# Altium PCB Carte_Alim-4L - CopieBK2023-02-12.PcbDoc (part 2 of 3)
Units mm, origin at the board's own origin, x right, y up, seen from the top; angles counter-clockwise.
Board outline 100 x 100 mm, 4 copper layers (Top Copper, Ground Plane, Power Plane, Bottom Copper), stack 1.57 mm thick; 239 components, 108 nets, 703 pads, 328 vias.
Unrouted connection lines stored in the file: 5.
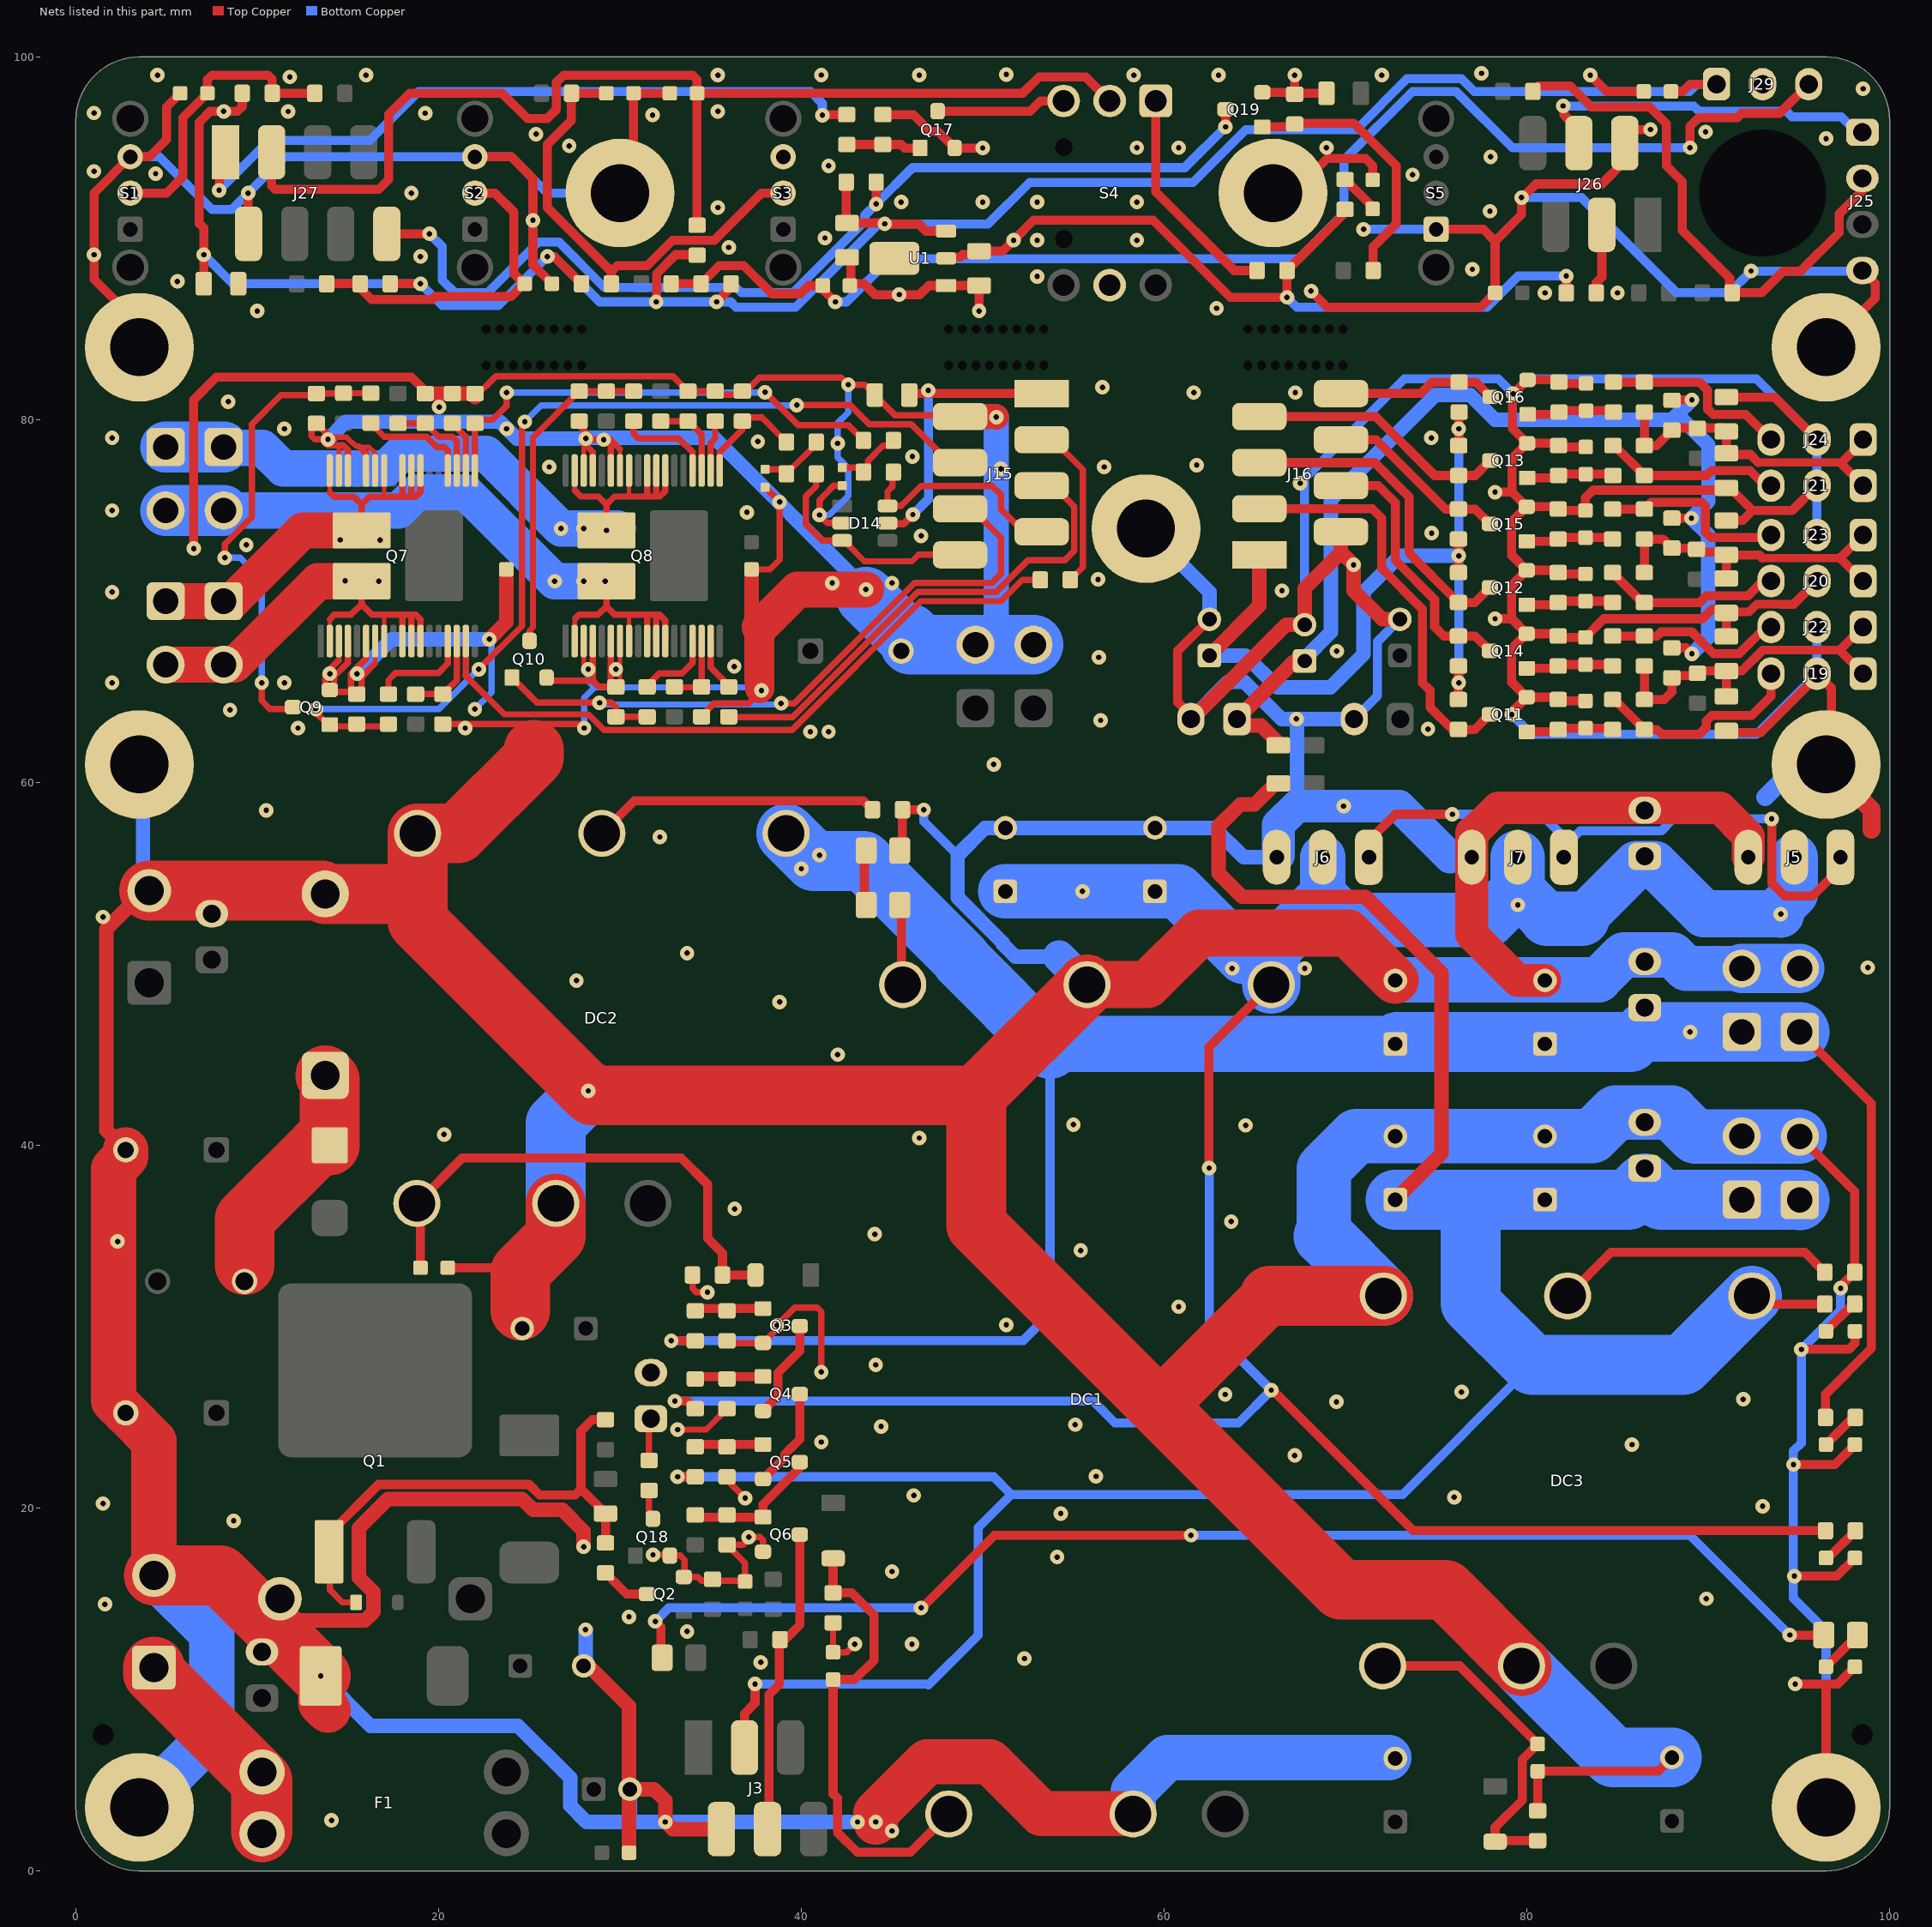
[diagram p4: the nets of this part, all layers, seen from the top]

## Via types
v1: diameter 0.8, hole 0.3, Top Copper to Bottom Copper, tented both sides, 328 vias

## Nets (pads, with @x,y where several pads share a name; then routed paths per layer and width w, separated by ;. In a path a pad name is that pad's centre, name@x,y a point inside that pad or via, vN(x,y) a via of type N, cw(c..) or ccw(c..) an arc to the next point about the centre after c; other vN are vias at no path point)
3L_CAP: C26.1 J16.1 R55.2 R56.2 R57.2 R67.2 R68.2 R69.2 | length 45.7
  Top Copper w0.5: R55.2@76.23,64.575 R67.2@76.23,66.425 ; R56.2@76.23,71.575 R68.2@76.23,73.425 ; R57.2@76.25,78.575 v1(76.25,79.5) R69.2@76.25,80.405
  Top Copper w0.8: C26.1@62.5,67 65.25,69.75 J16.1@65.25,72.555
  Bottom Copper w0.5: v1(76.25,65.5) v1(76.25,72.5) v1(76.25,79.5)
  Bottom Copper w0.8: C26.1@62.5,67 64.5,67 66.25,65.25 69.18,65.25 71,67.07 71,70.5 73,72.5 v1(76.25,72.5)
3L_CLAV: C41.2 C51.1 C52.1 J29.1 R79.2 R80.2 R81.2 R89.2 R104.2 R105.2 U1.3 | length 125.3
  Top Copper w0.5: C41.2@7.05,87.5 v1(7.05,89.1) 7.05,90.575 6.8,90.825 6.8,96.4 7.4,97 8.9,97 9.175,97.275 R79.2@9.175,98 ; R80.2@17.325,87.5 v1(19,87.5) ; v1(26,89) 26.375,89 R81.2@27.875,87.5 ; v1(32,86.5) 32.023,86.523 32.023,88.056 33.067,89.1 R105.2@34.3,89.1 ; v1(35.325,86.5) 35.95,87.125 35.95,87.325 R89.2@36.125,87.5 R89.2@36.075,87.5 ; C51.1@42.475,90.9 R104.2@42.475,93.1 ; C51.1@42.525,90.85 v1@44.6,90.85 ; v1(44.6,90.8) 46.475,90.8 46.875,90.4 U1.3@47.977,90.4 ; C52.1@87.95,98.1 88.6,98.1 89,98.5 J29.1@90.46,98.5
  Bottom Copper w0.5: v1(7.05,89.1) 8.65,87.5 v1(19,87.5) 20.2,86.3 23.3,86.3 v1(26,89) 26.375,89 28.875,86.5 v1(32,86.5) v1(35.325,86.5) 36.1,86.5 36.4,86.2 39.675,86.2 44.275,90.8 v1(44.6,90.8) 50.3,90.8 52.59,93.09 61.59,93.09 64.5,96 70.6,96 73.4,98.8 76.4,98.8 77.1,98.1 88.963,98.1 89.363,98.5 J29.1@90.46,98.5
  other v1: 8.15,97
3L_M: C23.2 D14.5 J15.1 | length 16.3
  Top Copper w0.4: D14.5@44.75,74.3 44.789,74.261 45.636,74.261 v1(46.15,74.775)
  Top Copper w0.5: C23.2@46.027,81.445 v1@46.825,81.445 ; v1(47,81.62) v1@46.825,81.445 ; J15.1@53.25,81.445 v1@46.825,81.445
  Bottom Copper w0.5: v1(46.15,74.775) 47,75.625 v1(47,81.62)
5L: C17.1 C18.1 DC3.3 FB8.1 J3.3 J10.1 J11.1 J26.3 J32.1 R12.2 R24.1 R99.1 | length 166.5
  Top Copper w0.5: v1(33.175,21.725) R12.2@34.15,21.725 ; J3.3@36.865,6.8 36.865,8.665 37.448,9.248 v1(37.448,10.3) ; R99.1@83.825,87 83.825,87.548 84.135,87.858 J26.3@84.135,90.75 ; DC3.3@92.86,31.25 R24.1@96.425,31.25
  Top Copper w0.8: FB8.1@66.047,59.853 64.994,58.8 64.2,58.8 63,57.6 63,55 64.3,53.7 71.1,53.7 75.3,49.5 75.3,39.55 C17.1@72.75,37
  Bottom Copper w0.5: v1(33.175,21.725) 50.6,21.725 51.575,20.75 ; v1(37.448,10.3) 46.95,10.3 47,10.25 49.75,13 49.75,18.925 51.575,20.75 ; 80.3,27.9 73.15,20.75 51.575,20.75
  Bottom Copper w3.3: C17.1@72.75,37 C18.1@81,37 85.6,37 86.5,37.9 87.4,37 J10.1@91.85,37 95.03,37 J32.1@95.05,36.98 ; 76.9,36.9 76.9,31.3 80.3,27.9 88.61,27.9 DC3.3@92.41,31.7
5L_CAP: C28.1 FB8.2 J18.1 R92.1 R94.1 R96.1 | length 59
  Top Copper w0.5: R92.1@88,67.425 88.775,67.425 v1(89.1,67.1) ; R94.1@88,74.575 v1(89.075,74.575) ; R96.1@88.025,81.1 v1(89.1,81.1)
  Top Copper w0.8: FB8.2@66.2,62.3 65.35,63.15 64.37,63.15 64.01,63.51 67.2,66.7 C28.1@67.75,66.7
  Bottom Copper w0.8: C28.1@67.675,66.775 69.2,68.3 69.2,75.6 74.968,81.368 76.882,81.368 78.25,80 88,80 88.303,80.303 ; v1(89.1,67.1) 89.993,67.993 89.993,73.657 v1(89.075,74.575) 90.011,75.511 90.011,78.595 88.303,80.303 ; v1(89.1,81.1) 88.303,80.303
5L_CLAV: C43.1 R85.1 R86.1 R99.2 U1.2 | length 44.8
  Top Copper w0.5: U1.2@47.978,88.9 48.046,88.968 48.768,88.968 48.909,89.109 49.609,89.109 C43.1@49.8,89.3 51.1,89.3 v1(51.7,89.9) 52.8,91 59.4,91 63.65,86.75 v1(66.775,86.75) R85.1@66.775,88.225 66.775,88.275 66.95,88.45 67,88.45 R86.1@69.988,91.438 ; R86.1@69.925,91.5 R86.1@69.975,91.5 ; R99.2@82.175,87 v1(82.175,87.925)
  Bottom Copper w0.5: v1(66.775,86.75) 67.325,86.2 77.8,86.2 79.525,87.925 v1(82.175,87.925)
5L_EN: C19.2 D6.2 DC3.6 R26.2 | length 19
  Top Copper w0.5: DC3.6@72.05,11.3 76.29,11.3 C19.2@80.6,6.99 79.75,6.14 79.75,3.898 78.25,2.398 78.25,1.675 80.59,1.675 R26.2@80.6,1.665
5P: C13.1 C14.1 DC2.3 J8.1 J9.1 J31.1 R10.2 R21.1 | length 121.3
  Top Copper w0.5: v1(32.825,29.225) R10.2@34.15,29.225 ; J31.1@95.05,46.25 99,42.3 99,28.8 96.465,26.265 R21.1@96.465,25
  Bottom Copper w0.5: v1(32.825,29.225) 52.225,29.225 53.71,30.71 53.71,45.312
  Bottom Copper w3.1: 53.71,45.59 61.175,45.59 61.182,45.583 68.648,45.583 68.655,45.59 C14.1@72.75,45.59
  Bottom Copper w3.3: DC2.3@39.16,57.2 40.68,55.68 43.409,55.68 48.87,50.219 48.87,50.152 53.71,45.312 ; C14.1@72.86,45.7 81,45.7 85.7,45.7 ; 86.5,46.25 v1(89,46.25) J8.1@91.85,46.25 J31.1@95.05,46.25
  other v1: 40,55.25 41,56
5P_EN: C15.2 D4.2 DC2.6 R23.2 | length 28.2
  Top Copper w0.5: DC2.6@18.8,36.8 21.3,39.3 33.375,39.3 34.825,37.85 34.825,34.875 35.65,34.05 R23.2@35.65,32.85 D4.2@37.475,32.85 ; C15.2@19,33.25 DC2.6@19,36.6
12V: C9.1 C10.1 DC1.4 J4.1 J5.2 J6.2 J7.2 R11.2 R17.2 | length 155.2
  Top Copper w0.5: v1(33.025,25.9) 33.725,25.9 R11.2@34.15,25.475 ; v1(62.48,38.75) 62.48,45.43 DC1.4@65.91,48.86 ; v1(65.91,26.5) 65.91,26.59 73.75,18.75 R17.2@96.465,18.75
  Bottom Copper w0.15: v1(63.75,49.75) 64.389,50.389 ; v1(79.5,53.25) 79.522,53.272 79.522,54.062
  Bottom Copper w0.5: v1(33.025,25.9) 56.1,25.9 57.3,24.7 64.11,24.7 v1(65.91,26.5) 62.5,29.91 62.5,38.73 v1(62.48,38.75)
  Bottom Copper w2.5: 68.75,53.55 J6.2@68.75,55.885
  Bottom Copper w2.6: 83.07,52.5 86.055,55.485 J4.1@87.046,55.485 ; J4.1@86.945,55.485 J4.1@87.046,55.485 ; v1(94,52.75) 93.989,52.761 v1@93.661,52.761 ; J5.2@94.75,55.885 94.75,53.85 v1@93.661,52.761 ; J4.1@87.046,55.485 89.77,52.761 v1@93.661,52.761
  Bottom Copper w2.9: 79.522,54.062 81.1,52.5
  Bottom Copper w3: C10.1@51.25,54 v1(55.5,54) 60.777,54 ; C9.1@59.5,54 60.777,54 ; 64.389,50.389 60.777,54 ; 65.91,50.71 68.75,53.55 69.873,52.427 77.887,52.427 79.522,54.062 ; 79.5,54.1 J7.2@79.5,55.885 ; 81.1,52.5 83.07,52.5
  Bottom Copper w3.2: DC1.4@65.91,48.86 65.91,49.75 65.91,50.71
  other v1: 67.75,49.75
12V_EN: C11.2 D2.2 DC1.3 R20.2 | length 25.8
  Top Copper w0.5: D2.2@41.75,17.225 R20.2@41.75,15.325 42.775,15.325 44,14.1 44,11.6 42.95,10.55 C11.2@41.75,10.55 41.75,4.25 42,4 42,2.106 43.085,1.021 46.011,1.021 DC1.3@48.13,3.14
ALIM_AU: J25.2 R100.2 R101.2 | length 30
  Top Copper w0.5: R101.2@80.325,98.1 80.625,98.4 82.4,98.4 83.55,97.25 86.77,97.25 87.7,96.32 87.7,94 88.56,93.14 88.56,90.44 91.182,87.818 91.182,87.143 R100.2@91.325,87 92.954,87 94.154,88.2 95.1,88.2 97.223,90.323 97.223,91.348 98.5,92.625 J25.2@98.5,93.31
AU_STATUS: J27.8 Q19.3 R104.1 | length 57.1
  Top Copper w0.5: J27.8@17.145,90.25 v1(19.5,90.25) ; v1(44.125,91.9) R104.1@44.125,93.1 ; v1(63.384,96.147) Q19.3@63.384,97.113
  Bottom Copper w0.5: v1(19.5,90.25) 20.2,89.55 20.2,87.7 20.9,87 22.7,87 25.5,89.8 26.644,89.8 29.144,87.3 36.4,87.3 36.7,87 39.547,87 43.5,90.953 43.5,91.275 v1(44.125,91.9) 46.125,93.9 61.136,93.9 v1(63.384,96.147)
BATT_P: F1.1 F1.3 J1.1 | length 11.5
  Top Copper w3.4: J1.1@4.3,11.21 4.3,10.9 10.25,4.95 F1.3@10.25,2.175
CAP_#A: C29.2 C35.2 J19.1 J22.1 R58.2 R70.2 R92.2 R93.2 | length 19.4
  Top Copper w0.47: 93,67.3 97.24,67.3
  Top Copper w0.5: R70.2@86.48,66.425 R58.2@86.48,64.575 87.575,64.575 88,65 88,65.9 89.275,65.9 R93.2@89.4,66.025 89.525,66.15 C35.2@91,66.15 ; C29.2@91,64.65 C35.2@91,66.15 ; 93,67.3 91.85,66.15 C35.2@91,66.15 ; J19.1@98.54,66 97.24,67.3 98.51,68.57 J22.1@98.54,68.57
CAP_#B: C30.2 C36.2 J20.1 J23.1 R59.2 R71.2 R94.2 R95.2 | length 17.7
  Top Copper w0.46: 92.985,72.37 97.25,72.37
  Top Copper w0.5: R59.2@86.48,71.575 R71.2@86.48,73.425 87.5,73.425 R94.2@88,72.925 R95.2@89.35,72.925 ; R95.2@89.35,72.865 89.515,72.7 90.85,72.7 C36.2@91,72.55 ; C30.2@91,71.45 C36.2@91,72.55 ; 92.985,72.37 92.835,72.55 C36.2@91,72.55 ; 97.25,72.4 J20.1@98.54,71.11 ; 97.29,72.4 J23.1@98.54,73.65
CAP_#C: C31.2 C37.2 J21.1 J24.1 R60.2 R72.2 R96.2 R97.2 | length 18
  Top Copper w0.46: 92.75,77.653 97.257,77.653
  Top Copper w0.5: R72.2@86.48,80.425 R60.2@86.48,78.575 87.15,78.575 88.125,79.55 90.8,79.55 C37.2@91,79.35 C31.2@91,78.15 91.066,78.084 92.319,78.084 92.75,77.653 ; J21.1@98.54,76.37 97.365,77.545 97.365,77.653 98.54,78.828 J24.1@98.54,78.91
CAPTTOR_1: J16.3 Q11.3 R55.1 | length 22.6
  Top Copper w0.5: J16.3@65.25,75.095 71.48,75.095 72,74.575 72,71.8 74.25,69.55 74.25,65.5 74.659,65.091 74.659,64.157 75.89,62.925 77.126,62.925 Q11.3@77.964,63.763
CAPTTOR_2: J16.4 Q14.3 R67.1 | length 14.7
  Top Copper w0.5: J16.4@69.75,76.365 71.805,76.365 72.75,75.42 72.75,72.25 74.916,70.084 74.916,68.584 75.425,68.075 R67.1@76.23,68.075 77.152,68.075 Q14.3@77.964,67.263
CAPTTOR_3: J16.5 Q12.3 R56.1 | length 18.1
  Top Copper w0.5: J16.5@65.25,77.635 71.615,77.635 73.5,75.75 73.5,72.655 R56.1@76.23,69.925 77.126,69.925 Q12.3@77.964,70.763
CAPTTOR_4: J16.6 Q15.3 R68.1 | length 10.1
  Top Copper w0.5: J16.6@69.75,78.905 71.695,78.905 75.525,75.075 R68.1@76.23,75.075 77.152,75.075 Q15.3@77.964,74.263
CAPTTOR_5: J16.7 Q13.3 R57.1 | length 14.4
  Top Copper w0.5: J16.7@65.25,80.175 71.666,80.175 74.916,76.925 R57.1@76.25,76.925 77.146,76.925 Q13.3@77.984,77.763
CAPTTOR_6: J16.8 Q16.3 R69.1 | length 8.9
  Top Copper w0.5: J16.8@69.75,81.445 74.145,81.445 74.775,82.075 R69.1@76.27,82.075 77.192,82.075 Q16.3@78.004,81.263
DNMXL_DATA: J5.1 J6.1 J7.1 | length 35.2
  Top Copper w0.5: J6.1@71.29,55.01 J6.1@71.29,55.885 71.29,56.79 72.75,58.25 v1(75.896,58.25) ; v1(93.5,58) 93.5,54.46 94.21,53.75 95.75,53.75 97.29,55.29 J5.1@97.29,55.885
  Bottom Copper w0.5: v1(75.896,58.25) 80.79,58.25 82.04,57 82.04,56.443 82.94,57.343 87.423,57.343 88.08,58 v1(93.5,58)
GND: C2.2 C3.2 C4.1 C5.2 C6.2 C7.2 C8.2 C9.2 C10.2 C11.1 C12.2 C13.2 C14.2 C15.1 C16.2 C17.2 C18.2 C19.1 C20.2 C21.1 C22.1 C23.1 C24.1 C25.1 C26.2 C27.2 C28.2 C29.1 C30.1 C31.1 C32.2 C33.2 C34.2 C35.1 C36.1 C37.1 C38.2 C39.2 C40.2 C41.1 C42.1 C43.2 C44.2 C45.2 C46.2 C47.2 C48.2 C49.1 C50.2 C51.2 C52.2 D1.1 D3.1 D5.1 D7.1 D11.1 D14.2 DC1.2 DC1.5 DC2.2 DC2.5 DC3.2 DC3.5 DT2.1 J1.2 J2.2 J3.2 J4.2 J5.3 J6.3 J7.3 J8.2 J9.2 J10.2 J11.2 J12.2 J15.2 J16.2 J17.2 J18.2 J19.2 J20.2 J21.2 J22.2 J23.2 J24.2 J25.4 J26.2 J27.2 J29.2 J31.2 J32.2 J33.2 J36.2 J37.2 J38.2 pad.0@3.5,3.5 pad.0@3.5,61 pad.0@3.5,84 pad.0@11.25,15 pad.0@30,92.5 pad.0@59,74 pad.0@66,92.5 pad.0@96.5,3.5 pad.0@96.5,61 pad.0@96.5,84 Q2.2 Q3.2 Q6.2 Q7.3 Q7.4 Q7.6 Q7.7 Q7.30 Q7.31 Q7.33 Q7.34 Q8.3 Q8.4 Q8.6 Q8.7 Q8.30 Q8.31 Q8.33 Q8.34 Q9.2 Q10.2 Q11.2 Q12.2 Q13.2 Q14.2 Q15.2 Q16.2 Q17.2 Q18.2 Q19.2 R5.2 R13.1 R14.1 R15.1 R16.1 R19.2 R20.1 R22.2 R23.1 R25.2 R26.1 R27.1 R28.1 R30.1 R32.1 R41.1 R42.1 R43.1 R44.1 R49.1 R50.1 R53.1 R54.1 R64.1 R65.1 R66.1 R76.1 R77.1 R78.1 R88.1 R103.1 S1.3 S2.3 S3.3 S4.B S5.1 U1.1 | length 1234.9
  Top Copper w0.25: 14.5,66.75 Q7.3@14.5,67.8 ; Q7.34@14.5,77.2 14.5,78.596 ; 15.65,78.5 16.175,78.5 16.5,78.175 Q7.30@16.5,77.2 ; 16.5,66.578 Q7.7@16.5,67.8 ; v1@28,66.25 Q8.3@28,67.8 ; Q8.34@28,77.2 28,78.526 ; R54.1@30,65.501 Q8.7@30,67.8 ; Q8.30@30,77.2 30,78.376
  Top Copper w0.3: v1@14,79.059 14.12,79.059 14.139,79.04 14.917,79.04 15.217,78.74 15.264,78.74 15.463,78.541 15.609,78.541 15.65,78.5
  Top Copper w0.35: v1@13.9,78.596 14.5,78.596 14.744,78.596 15,78.34 Q7.33@15,77.2 ; v1(13.9,78.917) 13.183,78.917 13,79.1 13,79.4 13.259,79.659 R49.1@13.259,79.8 v1@14,79.059 ; 14.5,66.75 13.75,66 13.75,65.25 Q9.2@14,65 ; Q7.4@15,67.8 15,66.614 14.25,65.864 14.25,65.25 Q9.2@14,65 ; v1@15.175,66 15.175,65.181 R53.1@15.356,65 ; v1@15.375,66.2 16,66.825 Q7.6@16,67.754 ; 15.65,78.5 16,78.15 Q7.31@16,77.2 ; 16.5,66.578 15.75,65.828 15.75,65.138 R53.1@15.484,64.872 R53.1@15.356,65 ; R41.1@20.234,63.348 R41.1@20.234,63.222 21.466,63.222 25.25,63.222 27.895,63.222 28.117,63 v1(28.026,63) ; R30.1@22.009,81.25 23.159,82.4 32.925,82.4 R44.1@33.75,81.575 R28.1@35.25,81.575 35.45,81.375 36.75,81.375 37.704,82.329 42.196,82.329 v1(42.59,81.935) 43.483,81.935 C23.1@44.05,81.368 45.168,80.25 48.675,80.25 J15.2@48.75,80.175 ; Q10.2@25.953,65.782 26.121,65.613 28.5,65.613 ; R50.1@27.75,79.676 28.46,78.966 v1(28.117,78.966) ; v1@27.939,78.788 28.5,78.226 Q8.33@28.5,77.2 ; Q8.4@28.5,67.8 28.5,65.613 ; v1@28.5,78.9 v1(29.1,78.9) 29.167,78.966 29.41,78.966 29.5,78.876 ; R54.1@29.5,65.554 Q8.6@29.5,67.8 ; Q8.31@29.5,77.2 29.5,78.876 ; R54.1@29.776,65.277 28.835,65.277 28.5,65.613 ; 30,78.376 29.5,78.876 ; v1(31.817,17.425) Q18.2@32.707,17.425 ; Q18.2@32.752,17.38 33.315,17.38 33.557,17.138 33.557,16.243 33.598,16.202 34.298,16.202 34.5,16 35.1,16 C49.1@36.9,16 ; v1(33.175,24.325) 34.75,24.325 R15.1@35.9,25.475 ; R23.1@34,32.85 34,32.105 34.205,31.9 v1(34.825,31.9) ; R43.1@34.5,63.628 34.5,63.682 35.184,64.366 37.091,64.366 v1(37.8,65.075) v1@37.704,65.171 ; R16.1@35.9,21.725 35.9,21.55 v1(36.9,20.55) ; R14.1@36.028,29.098 Q3.2@37.884,29.098 38.65,29.864 v1(38.65,30.075) 39.625,31.05 40.875,31.05 41.1,30.825 v1(41.1,27.5) ; C49.1@36.9,15.95 C49.1@36.9,16 ; C22.1@37.25,71.75 38.256,71.75 38.8,72.294 v1(38.8,75.47) C25.1@38,76.27 ; Q6.2@37.884,17.597 37.884,18.241 37.729,18.396 37.104,18.396 v1(37.1,18.4) 37.1,18.28 36.795,17.975 R13.1@35.9,17.975 36.9,16.975 C49.1@36.9,16 ; v1(41,74.75) 41,75.575 41.3,75.875 41.79,76.365 C24.1@42.25,76.365 ; v1(41,74.75) 41.43,74.32 42.555,74.32 D14.2@42.575,74.3 ; R20.1@41.75,13.675 C11.1@41.75,12.05 42.5,12.05 v1(42.95,12.5) ; Q9.2@14,65 R53.1@15.356,65
  Top Copper w0.47: C30.1@91,69.55 91.15,69.4 92.25,69.4 92.682,69.832 94.05,69.832
  Top Copper w0.5: pad.0@3.5,85.25 1,87.75 v1(1,89.1) 1,92.5 S1.3@3,94.5 4.05,94.5 4.995,95.445 4.995,97.245 C44.2@5.75,98 ; v1(6.5,72.9) 6.5,81.1 7.75,82.35 18.5,82.35 19.259,81.591 R42.1@19.259,81.45 ; J27.2@9.5,90.25 v1(9.5,92.5) ; C15.1@20.5,33.25 24.29,33.25 ; S2.3@22,94.5 24,94.5 25.2,93.3 v1(25.2,91) 25.2,88.55 C45.2@26.25,87.5 ; pad.0@30,92.5 30.75,93.25 C46.2@30.75,98 C47.2@32.75,98 ; C51.2@42.525,88.95 42.725,88.75 42.725,87.5 43.45,87.5 44.05,86.9 v1(45.4,86.9) 46.525,86.9 47.025,87.4 U1.1@47.977,87.4 C43.2@49.8,87.4 49.807,87.393 v1@49.807,86 ; R88.1@44.5,96.825 46.175,96.825 47.1,95.9 47.537,95.9 Q17.2@48.453,94.984 v1(50,94.984) ; R19.2@45.575,56.3 R22.2@45.575,58.5 v1(46.75,58.5) ; J18.2@61.48,63.5 61.48,63.713 60.75,64.443 60.75,67.256 62.494,69 C26.2@62.5,69 ; Q19.2@65.416,98.052 R103.1@66.885,98.052 ; pad.0@66,92.5 67.089,92.5 68.989,94.4 71.1,94.4 71.493,94.007 D11.1@71.493,93.293 ; R103.1@67.2,97.95 R103.1@67.2,98 ; v1(67.2,99) R103.1@67.2,98 ; v1(68.1,87.1) 69,86.2 77.45,86.2 C50.2@78.25,87 78.25,89.85 ; C42.1@68.95,98 R103.1@67.2,98 ; D11.1@71.455,93.255 D11.1@71.493,93.293 ; D11.1@71.5,93.224 71.493,93.231 D11.1@71.493,93.293 ; D11.1@71.5,93.3 D11.1@71.493,93.293 ; S5.1@75,90.5 77.6,90.5 78.25,89.85 ; v1(78.25,69.03) 79.169,69.03 ; v1(78.25,76.009) 79.189,76.009 ; v1@79.169,63.875 Q11.2@79.996,64.702 ; R26.1@80.6,3.315 C19.1@80.6,5.49 87.24,5.49 C16.2@88,6.25 ; C32.2@83.23,64.5 81.805,64.5 81.603,64.702 Q11.2@79.996,64.702 ; C33.2@83.23,71.5 81.805,71.5 81.602,71.702 Q12.2@79.996,71.702 ; C34.2@83.25,78.5 81.825,78.5 81.623,78.702 Q13.2@80.016,78.702 ; C40.2@83.27,82 81.845,82 81.642,82.202 Q16.2@80.036,82.202 79.209,81.375 79.209,79.51 Q13.2@80.016,78.702 ; v1(83.5,99) 84.4,98.1 C52.2@86.45,98.1 ; v1(86.818,96) 85.655,96 85.405,95.75 J26.2@85.405,95.25 85.405,94.27 84.135,93 80.5,93 79.75,92.25 v1(79.71,92.25) 79.71,91.31 78.25,89.85 ; C29.1@91,62.75 92.9,62.75 96,65.85 J19.2@96,66 96.8,65.2 pad.0@96.8,61.3 ; C35.1@91,68.05 91,69.55 90.195,69.55 89.674,69.03 84.251,69.03 83.23,68.008 C38.2@83.23,68 81.805,68 81.603,68.202 Q14.2@79.996,68.202 ; C37.1@91,81.25 93.66,81.25 J24.2@96,78.91 ; C36.1@91.2,74.65 C36.1@91,74.45 91.9,74.45 92.45,75 ; 94.05,69.832 94.722,69.832 J20.2@96,71.11 ; v1(94.7,22.4) 96.99,22.4 D5.1@98.09,23.5 ; v1(94.75,16.25) 97.09,16.25 D3.1@98.09,17.25 ; v1(94.8,10.3) 96.5,10.3 ; J32.2@95.05,40.48 98.075,37.455 R25.2@98.075,33 97.302,32.227 v1(97.302,32.122) ; v1(95.135,28.75) 97.75,28.75 98.09,29.09 D7.1@98.09,29.75 ; J21.2@96,76.37 94.63,75 92.45,75 ; pad.0@96.5,3.5 96.5,10.3 ; pad.0@96.5,84 99.2,86.7 99.2,87.53 J25.4@98.5,88.23 J25.4@98.5,88.73 ; D1.1@98.09,11.25 97.957,11.117 97.14,10.3 96.5,10.3 ; 79.169,69.03 79.169,70.875 Q12.2@79.996,71.702 ; 79.169,69.03 Q14.2@79.996,68.202 ; 79.189,76.009 79.189,77.875 Q13.2@80.016,78.702 ; 79.189,76.009 Q15.2@79.996,75.202 ; Q11.2@79.996,64.702 79.169,65.529 79.169,67.375 Q14.2@79.996,68.202 ; Q12.2@79.996,71.702 79.169,72.529 79.169,74.375 Q15.2@79.996,75.202 ; Q15.2@79.996,75.202 81.602,75.202 81.805,75 C39.2@83.23,75 83.23,75.7 83.653,76.123 90.873,76.123 C31.1@91,76.25 91.2,76.25 92.45,75
  Top Copper w0.8: C7.2@2.75,39.75 1.675,40.825 1.675,51.925 J2.2@3.75,54 ; 11.3,13.8 15.931,13.8 16.4,14.269 16.4,15.376 15.6,16.176 15.6,18.9 17.2,20.5 24.61,20.5 25.212,19.898 26.823,19.898 28,18.721 v1(28,17.864) ; v1@13.9,78.869 v1(13.9,78.917) ; R42.1@19.259,81.45 R27.1@20.759,81.45 21.809,81.45 R30.1@22.009,81.25 ; v1(22.8,67.9) 23.735,68.835 C21.1@23.735,71.75 ; C2.2@28,11.3 28.275,11.3 30.5,9.075 C4.1@30.5,1 ; C3.2@30.55,4.5 31.881,4.5 32.5,3.881 v1(32.5,2.7) 32.9,2.3 J3.2@35.595,2.3 ; 37.25,65.625 C22.1@37.25,71.75 ; J18.2@61.48,63.5 61.528,63.5 66.728,68.7 C28.2@67.75,68.7 67.75,70.701 69.75,72.701 ; J16.2@69.75,73.825 69.75,72.701 ; C27.2@73,69 72.03,69 70.451,70.579 v1(70.451,72) 69.75,72.701
  Top Copper w1: pad.0@96.5,61 99,58.5 99,57.4
  Top Copper w1.4: J15.2@48.75,80.175 50.72,80.175 v1(50.75,80.145)
  Top Copper w1.6: v1@37.704,65.171 37.704,68.562
  Top Copper w1.8: J7.3@76.96,57.24 J7.3@76.96,57.16 ; 80.322,58.6 80.313,58.609 78.409,58.609 J7.3@76.96,57.16 ; 80.463,58.6 90.66,58.6 92.21,57.05 J5.3@92.21,55.885 ; C13.2@81,49.09 79.5,49.09 76.96,51.63 J7.3@76.96,55.885 J7.3@76.96,57.16
  Top Copper w2: 37.704,68.562 39.784,70.642 v1(43.56,70.642)
  Top Copper w2.5: C7.2@2.75,39.75 2.75,39.384 2.073,38.707 2.073,34.7 2.073,25.927 C6.2@2.75,25.25 4.3,23.7 J1.2@4.3,16.29 ; v1(13.5,10.75) 13.5,9.26 13.9,8.86 ; v1(44.1,2.7) 44.1,3.183 46.937,6.02 50.383,6.02 53.244,3.159 58.271,3.159 DC1.2@58.29,3.14
  Top Copper w2.6: DC1.5@55.75,48.86 59.081,48.86 61.931,51.71 70.13,51.71 C14.2@72.75,49.09
  Top Copper w3: 59.695,25.555 65.84,31.7
  Top Copper w3.3: J2.2@4.05,54.04 7.5,54.04 C5.2@13.57,54.04 ; J1.2@4.3,16.29 7.96,16.29 10.25,14 11.222,13.027 v1(13.5,10.75) ; C5.2@13.75,53.86 18.66,53.86 ; 24.5,30.9 24.5,33.04 26.46,35 DC2.2@26.46,36.8 ; 25.25,61.806 25.25,61.388 21.062,57.2 DC2.5@18.84,57.2 18.84,52.36 v1@28.225,42.975 ; v1@28.45,42.75 49.64,42.75 ; DC1.5@55.75,48.86 49.64,42.75 ; 65.84,31.7 DC3.5@72.09,31.7 ; DC3.2@79.71,11.3 75.51,15.5 69.75,15.5 59.695,25.555 49.64,35.61 49.64,42.75
  Bottom Copper w0.35: v1(22,64.047) 22.919,64.967 22.919,67.781 v1(22.8,67.9) ; v1(28.026,63) 28.026,64.683 28.594,65.25 ; v1(28.25,66.25) 28.25,65.594 28.594,65.25 ; v1@37.625,65.25 28.594,65.25 ; v1(41,74.75) 41.532,74.75 41.595,74.812 42.59,75.808 42.59,77.34 42,77.93 v1(42,78.7) 42,79.813 42.59,80.403 v1(42.59,81.935)
  Bottom Copper w0.5: S1.3@3,94.5 4.6,94.5 7.5,91.6 8.6,91.6 v1(9.5,92.5) 11.5,94.5 S2.3@22,94.5 24,94.5 26,92.5 pad.0@30,92.5 ; v1(46.75,58.5) 46.75,57.858 48.616,55.991 ; C28.2@67.75,68.7 67.75,76.75 73.25,82.25 78.434,82.25 v1(79.25,81.434) 80.066,82.25 92.66,82.25 J24.2@96,78.91 J21.2@96,76.37 J23.2@96,73.65 ; J17.2@70.48,63.5 71.77,64.79 71.77,67.776 72.994,69 C27.2@73,69 ; v1(71,90.5) 74.6,90.5 74.8,90.3 S5.1@75,90.5 ; v1(79.169,63.75) 80.269,62.65 92.65,62.65 J19.2@96,66 J22.2@96,68.57 ; v1(79.71,92.25) 83,92.25 88.25,87 91.166,87 v1(92.366,88.2) 98.47,88.2 J25.4@98.5,88.23 ; pad.0@96.5,3.5 96.5,13.235 94.7,15.035 v1(94.7,22.4) 94.7,23.15 95.135,23.585 v1(95.135,28.75) 97.302,30.917 v1(97.302,32.122)
  Bottom Copper w0.8: pad.0@3.5,61 3.7,60.8 3.7,54.39 J2.2@4.05,54.04 ; v1(13.5,10.75) 16.25,8 24.375,8 27.25,5.125 27.25,3.596 28.146,2.7 30.55,2.7 ; v1(13.9,78.917) 14.874,79.891 23.386,79.891 24.313,78.964 28.115,78.964 v1(28.117,78.966) ; v1(15.5,66) 17.4,67.9 v1(22.8,67.9) ; C2.2@28,11.3 28.1,11.4 v1(28.1,13.3) ; v1@28.1,79 35.202,79 v1(43.56,70.642) ; C3.2@30.75,4.5 30.55,4.3 30.55,2.7 ; v1(44.1,2.7) v1(43.1,2.7) v1(32.5,2.7) 30.55,2.7 ; 54.21,50.4 51.804,50.4 51.12,51.084 51.12,51.16 48.616,53.664 48.616,55.991 50.125,57.5 C10.2@51.25,57.5 C9.2@59.5,57.5 62.77,57.5 64.385,55.885 J6.3@66.21,55.885 ; pad.0@59,74 62.5,70.5 C26.2@62.5,69 ; J18.2@61.48,63.5 63.534,65.554 64.429,65.554 66.483,63.5 67.327,63.5 J17.2@70.48,63.5 ; 67.327,58.7 v1@67.327,63.423
  Bottom Copper w1: J4.2@85.63,58.47 87.101,58.47 87.531,58.9 ; 93.147,59.2 94.947,61 pad.0@96.5,61
  Bottom Copper w1.4: 50.75,69.15 v1(50.75,80.145)
  Bottom Copper w1.6: 75.775,55.885 J7.3@76.96,55.885
  Bottom Copper w1.8: 54.21,50.4 DC1.5@55.75,48.86 ; J6.3@66.21,55.885 66.301,55.976 66.301,57.673 67.327,58.7 v1(69.9,58.7) 72.96,58.7 75.775,55.885
  Bottom Copper w2.5: pad.0@3.5,3.5 7.5,7.5 7.5,13.09 J1.2@4.3,16.29 ; DC1.2@58.29,3.14 58.29,4.363 60.177,6.25 C8.2@72.4,6.25 ; C14.2@72.86,49.127 83.968,49.127 85.341,50.5 88.034,50.5 88.784,49.75 J8.2@91.85,49.75
  Bottom Copper w2.7: J8.2@91.85,49.75 J31.2@95.05,49.75
  Bottom Copper w3: 68.8,34.99 68.8,38.7 70.6,40.5 C17.2@72.75,40.5 C18.2@81,40.5 83.6,40.5 84.9,41.8 87.97,41.8 89.29,40.48 J32.2@95.05,40.48
  Bottom Copper w3.3: DC2.2@26.46,36.8 26.46,41.21 v1(28.25,43) ; v1@43.56,70.242 46,67.802 ; C20.2@46,67.6 J12.2@49.6,67.6 J33.2@52.8,67.6 ; 46,68 46,68.202 ; 68.8,34.99 DC3.5@72.09,31.7 ; DC3.2@79.71,11.3 84.76,6.25 C16.2@88,6.25
  other v1: 45,2.2 14.1,2.781 37.759,11.5 52.3,11.7 46.1,12.5 33.7,13.2 30.5,14 1.6,14.7 89.9,15 45,16.5 54.1,17.3 8.7,19.3 54.3,19.7 93,20.1 1.5,20.25 76,20.6 46.2,20.7 56.25,21.75 67.2,22.9 85.8,23.5 41.1,23.639 44.4,24.5 55.1,24.6 69.5,25.86 91.93,26 63.37,26.266 76.4,26.4 44.1,27.9 51.3,30.1 60.8,31.1 55.4,34.2 2.3,34.7 44.05,35.1 63.7,35.8 36.325,36.495 46.5,40.4 20.3,40.6 64.5,41.1 55,41.145 42,45 38.8,47.9 27.6,49.085 98.8,49.8 33.7,50.6 1.5,52.59 32.2,57 10.5,58.47 50.605,61 40.5,62.8 41.5,62.8 74.55,62.95 12.25,63 21.466,63 56.5,63.427 67.3,63.507 8.5,64 2,65.5 11.5,65.5 14,66 29.776,66.25 36.3,66.4 56.4,66.9 69.519,67.245 2,70.5 66.5,70.579 41.7,71 45,71 56.359,71.2 9.4,73.1 46.6,73.6 74.75,73.75 37,74.9 2,75 67.5,76.5 51,77.3 26.1,77.4 56.7,77.4 61.8,77.5 46.125,77.975 37.6,78.8 2,79 74.734,79 11.5,79.5 23.75,79.5 20.03,80.7 8.401,81 61.641,81.5 67.234,81.5 56.6,81.791 10,86 49.8,86 62.896,86.148 81,87 85,87 5.6,87.625 53,87.9 77,88.3 19,89 36,89.5 53,89.9 58.5,89.9 41.3,90.025 77.964,91.5 35.4,91.7 45.5,92 50,92 53,92 58.5,92 18.5,92.5 73.7,93.509 4.4,93.571 1,93.7 41.5,94 78,94.5 58.5,95 60.8,95 68.95,95 27.2,95.1 96.5,95.5 25.375,95.75 89.861,95.875 31.8,96.8 19.259,96.9 1,96.913 11.7,96.999 35.4,97 98.54,98.25 11.8,98.9 4.5,99 16,99 35.4,99 41.1,99.006 46.5,99 58.325,99 63,99 72,99 51.3,99.037 77.5,99.1
LED_AU: J3.4 J25.1 J26.4 Q6.3 R9.1 | length 36.2
  Top Copper w0.5: J3.4@38.135,2 J3.4@38.135,2.3 38.225,2.39 38.225,9.725 38.778,10.278 R9.1@38.778,12.703 ; R9.1@38.825,12.75 39.107,12.75 39.916,13.559 Q6.3@39.916,18.537 ; v1(82,97.3) 82.057,97.243 82.057,96.808 J26.4@82.865,96 ; J25.1@98.5,95.85 J25.1@98.52,95.87
  Bottom Copper w0.5: v1(82,97.3) 89.2,97.3 89.5,97 94.325,97 94.622,96.703 97.347,96.703 98.2,95.85 J25.1@98.5,95.85 J25.1@98.52,95.87
LED_NUCLEO: J27.1 R87.1 | length 39.5
  Top Copper w0.5: v1(7.9,92.655) J27.1@7.9,94.395 ; v1@41.191,96.825 R87.1@42.5,96.825 R87.1@42.487,96.838
  Bottom Copper w0.5: v1(7.9,92.655) 10.645,95.4 16.2,95.4 18.9,98.1 40.5,98.1 41.159,97.441 v1(41.159,96.793)
MOT1_CS: D14.6 J15.7 R46.2 | length 12.5
  Top Copper w0.35: R46.2@45.075,77.115 45.02,77.06 45.02,76.32 44.75,76.05 D14.6@44.75,75.25 45.5,75.25 46.598,76.348 50.517,76.348 51,75.865 51,75.075 52.25,73.825 J15.7@53.25,73.825
MOT1_CS_RAW: Q7.19 R30.2 R45.1 | length 26.4
  Top Copper w0.35: Q7.19@22,77.2 22,80 22.009,80 22.975,80 23.75,80.775 v1(23.75,81.5) ; v1(38,81.52) 39.82,79.7 42.59,79.7 R45.1@43.425,78.865
  Bottom Copper w0.35: v1(23.75,81.5) v1@38,81.5
MOT1_DIR: J15.4 Q9.1 R33.1 R53.2 | length 54.4
  Top Copper w0.35: v1(13.234,64.047) 13.234,63.861 14,63.095 R33.1@17.234,63.095 ; v1(22.217,66.248) 24.6,68.631 24.6,79.741 v1(24.75,79.891) ; v1(39.75,80.813) 42.68,80.813 43.743,79.75 46.067,79.75 48.162,77.655 J15.4@48.416,77.655
  Bottom Copper w0.35: v1(13.234,64.047) 20.017,64.047 v1(22.217,66.248) ; v1(24.75,79.891) 25.652,80.793 v1@39.75,80.793
MOT1_DIR_INV: Q9.3 R35.1 R47.1 R49.2 | length 26.3
  Top Copper w0.35: v1(8.208,72.392) 8.208,73.146 9.7,74.638 9.7,79.748 11.302,81.35 R49.2@13.259,81.35 ; v1(10.25,65.5) 10.25,64.513 10.703,64.06 Q9.3@11.968,64.06 ; R49.2@13.259,81.45 14.744,81.45 R47.1@14.759,81.465 R35.1@16.259,81.465
  Bottom Copper w0.35: v1(8.208,72.392) 9.058,72.392 10.25,71.2 v1(10.25,65.5)
MOT1_N: J13.2 J34.2 Q7.2 Q7.8 Q7.10 Q7.11 Q7.12 Q7.38 | length 26.4
  Top Copper w0.25: Q7.2@14,67.8 14,69 ; Q7.8@17,67.8 17,69.25
  Top Copper w0.35: 14,69 14.25,69.25 15.175,69.25 15.75,69.825 ; Q7.38@15.75,71.1 15.75,69.825 ; Q7.10@18,67.8 18,69.25 ; Q7.11@18.5,67.8 18.5,69.25 ; Q7.12@18.998,67.8 18.998,68.008 19,68.01 19,69 18.75,69.25 18.5,69.25 ; 15.75,69.825 16.325,69.25 17,69.25 18.5,69.25
  Top Copper w2: J34.2@4.95,66.5 J13.2@8.15,66.5 8.75,66.5 13.35,71.1 Q7.38@15.75,71.1
  other v1: 16.701,71.1 14.85,71.125
MOT1_P: J13.1 J34.1 Q7.25 Q7.26 Q7.27 Q7.29 Q7.35 Q7.39 | length 26.1
  Top Copper w0.25: 14,76 Q7.35@14,77.2 ; 17,75.75 Q7.29@17,77.2
  Top Copper w0.35: 14,76 14.25,75.75 15.325,75.75 15.75,75.325 ; Q7.39@15.75,73.9 15.75,75.325 ; 18,75.75 Q7.27@18,77.2 ; Q7.26@18.5,77.2 18.5,75.75 ; Q7.25@19,77.2 19,76.016 18.734,75.75 18.5,75.75 ; 15.75,75.325 16.175,75.75 17,75.75 18.5,75.75
  Top Copper w2: J34.1@4.95,70 J13.1@8.15,70 8.615,70 12.515,73.9 Q7.39@15.75,73.9
  other v1: 14.571,73.379 16.775,73.375
MOT1_PWM: J15.3 R29.1 | length 9.3
  Top Copper w0.35: J15.3@53.25,78.905 53.865,78.905 55.529,77.241 55.529,71.879 R29.1@54.825,71.175
MOT2_CS: D14.3 J15.8 R52.2 | length 12.7
  Top Copper w0.35: R52.2@40.825,77.02 40.825,76.348 40.25,75.773 40.25,74.25 41.15,73.35 42.575,73.35 42.575,73.1 43.475,72.2 46.1,72.2 46.455,72.555 J15.8@48.75,72.555
MOT2_CS_RAW: Q8.19 R32.2 R51.1 | length 6.4
  Top Copper w0.35: Q8.19@35.5,77.2 35.5,78.216 36.75,79.466 36.75,80.125 37.8,80.125 ; 37.8,80.145 R51.1@39.175,78.77
MOT2_DIR: J15.6 Q10.1 R34.1 R54.2 | length 39.1
  Top Copper w0.35: Q10.1@24.048,65.782 25.429,64.4 v1(28.874,64.4) 29.532,64.4 29.776,64.155 R54.2@29.776,63.628 R34.1@31.5,63.628 ; v1(38.884,64.366) 39.607,64.366 46.24,71 50.5,71 51,71.5 51,73.5 49.405,75.095 J15.6@48.75,75.095
  Bottom Copper w0.35: v1(28.874,64.4) 28.944,64.4 29.042,64.302 39.096,64.302 39.032,64.366 v1(38.884,64.366)
MOT2_DIR_INV: Q10.3 R36.1 R48.1 R50.2 | length 17.9
  Top Copper w0.35: Q10.3@25.013,67.814 25.013,68.369 25.2,68.556 25.2,79.025 R50.2@27.75,81.575 R36.1@30.75,81.575
MOT2_N: J14.2 J35.2 Q8.2 Q8.8 Q8.10 Q8.11 Q8.12 Q8.38 | length 40.4
  Top Copper w0.25: Q8.2@27.5,67.8 27.5,69.02 ; Q8.8@30.5,67.8 30.5,69.25
  Top Copper w0.35: 27.523,69.043 27.73,69.25 28.792,69.25 29.25,69.708 ; Q8.38@29.25,71.1 29.25,69.708 ; Q8.10@31.5,67.8 31.5,69.25 ; Q8.11@32,67.8 32,69.25 ; Q8.12@32.5,67.8 32.5,68.948 32.198,69.25 31.5,69.25 ; 29.25,69.708 29.708,69.25 31.5,69.25
  Bottom Copper w2: J14.2@8.15,75 17.8,75 18.8,76 21.5,76 v1(26.4,71.1) v1(28,71.1) v1(29.181,71.1)
  Bottom Copper w2.8: J35.2@4.95,75 J14.2@8.15,75
MOT2_P: J14.1 J35.1 Q8.25 Q8.26 Q8.27 Q8.29 Q8.35 Q8.39 | length 41
  Top Copper w0.25: 27.5,76.112 Q8.35@27.5,77.2 ; 30.5,75.766 Q8.29@30.5,77.2
  Top Copper w0.35: 27.5,76.112 27.846,75.766 28.809,75.766 29.25,75.325 ; v1(29.25,73.9) 29.25,75.325 ; Q8.27@31.5,77.2 31.5,75.766 ; Q8.26@32,77.2 32,75.766 ; Q8.25@32.5,77.2 32.5,76.066 32.2,75.766 32,75.766 ; 29.25,75.325 29.691,75.766 30.5,75.766 31.5,75.766 ; 31.5,75.766 32,75.766
  Bottom Copper w2: J14.1@8.15,78.5 8.2,78.45 10.287,78.45 11.42,77.317 17.109,77.317 17.919,78.127 22.623,78.127 v1(26.75,74) v1(28,74) 29.877,74
  Bottom Copper w2.8: J35.1@4.95,78.5 J14.1@8.15,78.5
MOT2_PWM: J15.5 R31.1 | length 27.6
  Top Copper w0.35: R31.1@36,63.627 36.027,63.6 39.516,63.6 46.415,70.5 50.75,70.5 52.5,72.25 54.525,72.25 55.052,72.777 55.052,75.214 53.901,76.365 J15.5@53.25,76.365
NetC1_1: C1.1 Q1.1 R1.1 R4.1 Z1.1 | length 28.6
  Top Copper w0.35: Q1.1@14.007,17.653 14.007,15.493 14.7,14.8 Z1.1@15.45,14.8
  Top Copper w0.5: Q1.1@14.007,17.653 13.96,17.7 13.96,18.57 16.69,21.3 24.988,21.3 25.565,20.723 27.522,20.723 27.849,21.051 ; R4.1@29.2,18.075 C1.1@29.2,19.7 27.849,21.051 ; R1.1@29.2,24.875 28.475,24.875 27.849,24.249 27.849,21.051
NetC5_1: C5.1 D12.1 R2.2 | length 12.9
  Top Copper w3.3: 9.3,33.4 9.3,35.935 13.365,40 D12.1@14,40 14,43.61 C5.1@13.75,43.86
NetC24_2: C24.2 R45.2 R46.1 | length 3.6
  Top Copper w0.35: C24.2@42.25,77.365 R46.1@43.175,77.365 ; R46.1@43.425,77.115 43.675,77.365 43.675,77.75 44.49,78.565 44.825,78.565 45.075,78.815 R45.2@45.075,78.865
NetC25_2: C25.2 R51.2 R52.1 | length 3.3
  Top Copper w0.35: C25.2@38,77.27 R52.1@38.925,77.27 ; R52.1@39.175,77.02 R51.2@40.825,78.67
NetC32_1: C32.1 Q11.1 R61.2 R64.2 | length 4.8
  Top Copper w0.5: Q11.1@79.996,62.797 81.603,62.797 R64.2@81.73,62.925 81.805,63 C32.1@83.23,63 84.655,63 R61.2@84.73,62.925
NetC33_1: C33.1 Q12.1 R62.2 R65.2 | length 4.7
  Top Copper w0.5: Q12.1@79.996,69.797 81.602,69.797 R65.2@81.73,69.925 81.805,70 C33.1@83.23,70 R62.2@84.655,70
NetC34_1: C34.1 Q13.1 R63.2 R66.2 | length 4.8
  Top Copper w0.5: Q13.1@80.016,76.797 81.623,76.797 R66.2@81.75,76.925 81.825,77 C34.1@83.25,77 84.675,77 R63.2@84.75,76.925
NetC38_1: C38.1 Q14.1 R73.2 R76.2 | length 4.7
  Top Copper w0.5: Q14.1@79.996,66.297 81.603,66.297 R76.2@81.73,66.425 81.805,66.5 C38.1@83.23,66.5 R73.2@84.655,66.5
NetC39_1: C39.1 Q15.1 R74.2 R77.2 | length 4.7
  Top Copper w0.5: Q15.1@79.996,73.297 81.602,73.297 R77.2@81.73,73.425 81.805,73.5 C39.1@83.23,73.5 R74.2@84.655,73.5
NetC40_1: C40.1 Q16.1 R75.2 R78.2 | length 4.7
  Top Copper w0.5: Q16.1@80.036,80.297 81.642,80.297 R78.2@81.77,80.425 81.845,80.5 C40.1@83.27,80.5 R75.2@84.695,80.5
NetC44_1: C44.1 R79.1 R82.1 S1.2 | length 16.1
  Top Copper w0.5: S1.2@3,92.5 4.995,92.5 5.9,93.405 5.9,96.65 C44.1@7.25,98 7.25,98.75 7.5,99 10.6,99 10.825,98.775 R79.1@10.825,98 R82.1@13.175,98
NetC45_1: C45.1 R80.1 R83.1 S2.2 | length 18.4
  Top Copper w0.5: R83.1@13.825,87.5 15.425,87.5 16.298,86.627 19.627,86.627 19.8,86.8 24,86.8 24.7,87.5 24.159,88.041 24.159,91.441 23.1,92.5 S2.2@22,92.5
NetC46_1: C46.1 R81.1 R84.1 S3.2 | length 25.7
  Top Copper w0.5: C46.1@29.25,98 R84.1@27.325,98 27.325,96.5 26,95.175 26,91.7 29.525,88.175 ; R81.1@29.525,87.5 29.525,88.175 ; S3.2@39,92.5 37.8,92.5 35.2,89.9 32.9,89.9 31.5,88.5 29.85,88.5 29.525,88.175
NetC48_1: C48.1 J29.3 R89.1 R90.1 | length 74.3
  Top Copper w0.5: R90.1@32.825,87.5 R89.1@34.475,87.5 35.475,88.5 36.824,88.5 38.374,86.95 39.95,86.95 40.4,87.4 C48.1@41.175,87.4 41.175,87.2 v1@41.817,86.558 ; v1(89,95) 89,96.175 89.477,96.652 91.607,96.652 91.855,96.9 93.94,96.9 J29.3@95.54,98.5
  Bottom Copper w0.5: v1(41.874,86.501) 42.501,86.501 44.875,88.875 67.425,88.875 69.925,91.375 69.925,94.325 73.7,98.1 76.1,98.1 79.2,95 v1(89,95)
NetD1_2: D1.2 R7.1 | length 2.5
  Top Copper w0.5: D1.2@96.49,11.25 98.225,12.985 R7.1@98.225,13
NetD3_2: D3.2 R17.1 | length 2.2
  Top Copper w0.5: D3.2@96.49,17.25 96.615,17.25 R17.1@98.115,18.75
NetD5_2: D5.2 R21.2 | length 2.2
  Top Copper w0.5: D5.2@96.49,23.5 97.99,25 R21.2@98.115,25
NetD7_2: D7.2 R24.2 | length 2.2
  Top Copper w0.5: D7.2@96.49,29.75 97.99,31.25 R24.2@98.075,31.25
NetD11_2: D11.2 R86.2 | length 2.3
  Top Copper w0.5: R86.2@69.975,93.249 70.025,93.249 70.2,93.074 70.2,93.024 71.35,91.874 71.35,91.774 D11.2@71.5,91.624
NetDC1_6: DC1.6 R18.1 | length 4.3
  Top Copper w0.5: DC1.6@45.525,48.925 R18.1@45.525,53.25
NetDC2_4: DC2.4 R22.1 | length 15.9
  Top Copper w0.5: DC2.4@29,57.2 30.8,59 43.425,59 R22.1@43.925,58.5
NetDC3_4: DC3.4 R25.1 | length 15.6
  Top Copper w0.5: DC3.4@82.25,31.7 84.65,34.1 95.325,34.1 R25.1@96.425,33
NetJ19_3: J19.3 R58.1 R61.1 | length 11.7
  Top Copper w0.5: R61.1@84.83,64.575 R58.1@86.48,62.925 87.175,62.925 87.45,62.65 89.5,62.65 89.9,63.05 89.9,63.4 90.2,63.7 92.4,63.7 93.46,64.76 J19.3@93.46,66
NetJ20_3: J20.3 R59.1 R62.1 | length 9.9
  Top Copper w0.5: R62.1@84.73,71.575 86.38,69.925 89.525,69.925 89.9,70.3 92.2,70.3 93.01,71.11 J20.3@93.46,71.11
NetJ21_3: J21.3 R60.1 R63.1 | length 9.8
  Top Copper w0.5: R63.1@84.83,78.575 R60.1@86.48,76.925 89.925,76.925 90.2,77.2 92.297,77.2 93.127,76.37 J21.3@93.46,76.37
NetJ22_3: J22.3 R70.1 R73.1 | length 9.9
  Top Copper w0.5: R73.1@84.73,68.075 R70.1@86.48,68.075 87.175,68.075 87.4,68.3 89.1,68.3 90.3,67.1 91.7,67.1 93.17,68.57 J22.3@93.46,68.57
NetJ23_3: J23.3 R71.1 R74.1 | length 10.6
  Top Copper w0.5: R74.1@84.73,75.075 R71.1@86.48,75.075 86.855,75.45 89.65,75.45 89.852,75.248 89.852,73.797 90.097,73.552 90.11,73.552 90.158,73.504 93.314,73.504 J23.3@93.46,73.65
NetJ24_3: J24.3 R72.1 R75.1 | length 10.6
  Top Copper w0.5: R75.1@84.77,82.075 R72.1@86.48,82.075 89.525,82.075 89.973,81.627 89.973,80.59 90.266,80.297 92.073,80.297 J24.3@93.46,78.91
NetQ2_3: Q2.3 R4.2 | length 2.8
  Top Copper w0.5: R4.2@29.2,16.425 30.362,15.263 Q2.3@31.484,15.263
NetQ3_1: Q3.1 R10.1 R14.2 | length 3.6
  Top Copper w0.5: R10.1@34.278,31.003 Q3.1@37.884,31.003
NetQ3_3: Q3.3 Q4.2 | length 5.5
  Top Copper w0.5: Q4.2@37.884,25.348 38.711,26.175 38.711,27.453 39.916,28.657 Q3.3@39.916,30.037
NetQ4_1: Q4.1 R11.1 R15.2 | length 3.6
  Top Copper w0.5: R11.1@34.278,27.253 Q4.1@37.884,27.253
NetQ4_3: Q4.3 Q5.2 | length 5.5
  Top Copper w0.5: Q5.2@37.884,21.598 39.089,22.802 39.089,22.976 39.427,23.314 39.44,23.314 39.916,23.791 Q4.3@39.916,26.287
NetQ5_1: Q5.1 R12.1 R16.2 | length 3.6
  Top Copper w0.5: R12.1@34.278,23.503 Q5.1@37.884,23.503
NetQ5_3: Q5.3 Q6.1 R8.1 R13.2 | length 7.5
  Top Copper w0.5: R8.1@34.272,19.502 Q6.1@37.884,19.502 37.884,20.201 39.916,22.233 Q5.3@39.916,22.537
NetQ7_15: Q7.15 R33.2 | length 5.7
  Top Copper w0.35: R33.2@17.234,64.872 17.234,65.648 17.632,66.045 19.982,66.045 20.484,66.547 ; 20.5,66.547 Q7.15@20.5,67.8
NetQ7_16: Q7.16 R37.1 R41.2 | length 4.7
  Top Copper w0.35: R37.1@18.734,64.872 R41.2@20.234,64.872 21,65.638 Q7.16@21,67.8
NetQ7_17: Q7.17 R29.2 | length 38.3
  Top Copper w0.35: 21.484,65.906 23.632,63.758 28.268,63.758 29.126,62.9 39.49,62.9 46.59,70 51,70 52.175,71.175 R29.2@53.175,71.175 ; 21.5,65.906 Q7.17@21.5,67.8
NetQ7_20: Q7.20 R27.2 | length 2.9
  Top Copper w0.35: R27.2@20.758,79.799 21.484,79.073 21.486,79.073 21.5,79.059 Q7.20@21.5,77.2
NetQ7_21: Q7.21 R38.1 R42.2 | length 5.3
  Top Copper w0.35: R38.1@17.759,79.8 R42.2@19.259,79.8 19.275,79.8 20.002,79.073 20.743,79.073 21,78.816 Q7.21@21,77.2
NetQ7_22: Q7.22 R35.2 | length 6
  Top Copper w0.35: R35.2@16.259,79.815 17.001,79.073 19.327,79.073 19.898,78.502 20.298,78.502 20.5,78.3 Q7.22@20.5,77.2
NetQ8_15: Q8.15 R34.2 | length 4.5
  Top Copper w0.35: R34.2@31.5,65.075 R34.2@31.5,65.277 31.5,65.359 32.164,66.023 33.423,66.023 34,66.6 Q8.15@34,67.8
NetQ8_16: Q8.16 R39.1 R43.2 | length 4.1
  Top Copper w0.35: R39.1@33,65.075 33.175,65.25 34.5,65.25 R43.2@34.5,65.277 Q8.16@34.5,67.8
NetQ8_17: Q8.17 R31.2 | length 3.1
  Top Copper w0.35: Q8.17@35,67.8 35,66.348 36,65.348 R31.2@36,65.277 R31.2@36,65.075
NetQ8_20: Q8.20 R28.2 | length 2.8
  Top Copper w0.35: Q8.20@35,77.2 35,78.716 35.25,78.966 R28.2@35.25,79.925
NetQ8_21: Q8.21 R40.1 R44.2 | length 4.5
  Top Copper w0.35: R40.1@32.25,79.925 R44.2@33.75,79.925 34.5,79.175 Q8.21@34.5,77.2
NetQ8_22: Q8.22 R36.2 | length 5.4
  Top Copper w0.35: R36.2@30.75,79.925 30.75,79.25 31.023,78.977 33.235,78.977 34,78.212 Q8.22@34,77.2
NetQ17_1: Q17.1 R87.2 R88.2 | length 4.1
  Top Copper w0.5: R87.2@42.5,95.175 R88.2@44.5,95.175 45.5,95.175 45.691,94.984 Q17.1@46.548,94.984
NetQ17_3: Q17.3 S4.2 | length 7.2
  Top Copper w0.5: Q17.3@47.513,97.016 52.616,97.016 53.18,97.58 S4.2@54.46,97.58
NetQ18_3: Q18.3 R91.1 | length 1.6
  Top Copper w0.35: R91.1@31.6,20.975 31.6,19.688 Q18.3@31.844,19.444
NetQ19_1: Q19.1 R102.1 R103.2 | length 14.7
  Top Copper w0.5: Q19.1@65.416,96.147 67.047,96.147 R103.2@67.2,96.3 ; R103.2@67.237,96.338 70.462,96.338 72.8,94 72.8,90.8 71.525,89.525 R102.1@71.525,88.232
NetR6_2: R6.2 R7.2 | length 71.1
  Top Copper w0.5: v1(31.944,13.75) 32.25,13.444 32.25,11.775 R6.2@32.225,11.75 ; v1(46.6,14.5) 46.65,14.5 50.65,18.5 v1(61.48,18.5) ; v1(94.5,13) R7.2@96.375,13 R7.2@96.182,12.807
  Bottom Copper w0.5: v1(31.944,13.75) 32.694,14.5 v1(46.6,14.5) ; v1(61.48,18.5) 89,18.5 v1(94.5,13)
NetR18_2: R18.2 R19.1 | length 3
  Top Copper w0.5: R18.2@43.475,53.25 R19.1@43.475,56.25
NetR85_2: R85.2 S4.1 | length 12.4
  Top Copper w0.5: S4.1@59.54,97.58 59.54,92.56 63.875,88.225 R85.2@65.125,88.225
NRST_NUCLEO: C47.1 J27.3 R105.1 S4.A | length 63.9
  Top Copper w0.5: J27.3@10.795,94.75 10.795,92.9 10.995,92.7 16.7,92.7 17.25,93.25 17.25,96.85 18.4,98 23.5,98 24.9,96.6 25.983,96.6 26.5,97.117 26.5,98.608 26.892,99 34,99 34.25,98.75 C47.1@34.25,98 ; R105.1@34.25,90.775 C47.1@34.25,98 ; S4.A@57,97.575 55.675,98.9 53.1,98.9 52.2,98 C47.1@34.25,98
nRST_oDrive: J36.1 R91.2 | length 2.2
  Top Copper w0.35: R91.2@31.6,22.625 J36.1@31.6,24.83